# Altium PCB PCB1.PcbDoc (part 6 of 14)
Units mm, origin at the board's own origin, x right, y up, seen from the top; angles counter-clockwise.
Board outline 77.2 x 62.23 mm, 2 copper layers (Top Layer, Bottom Layer); 102 components, 131 nets, 23089 pads, 324 vias.
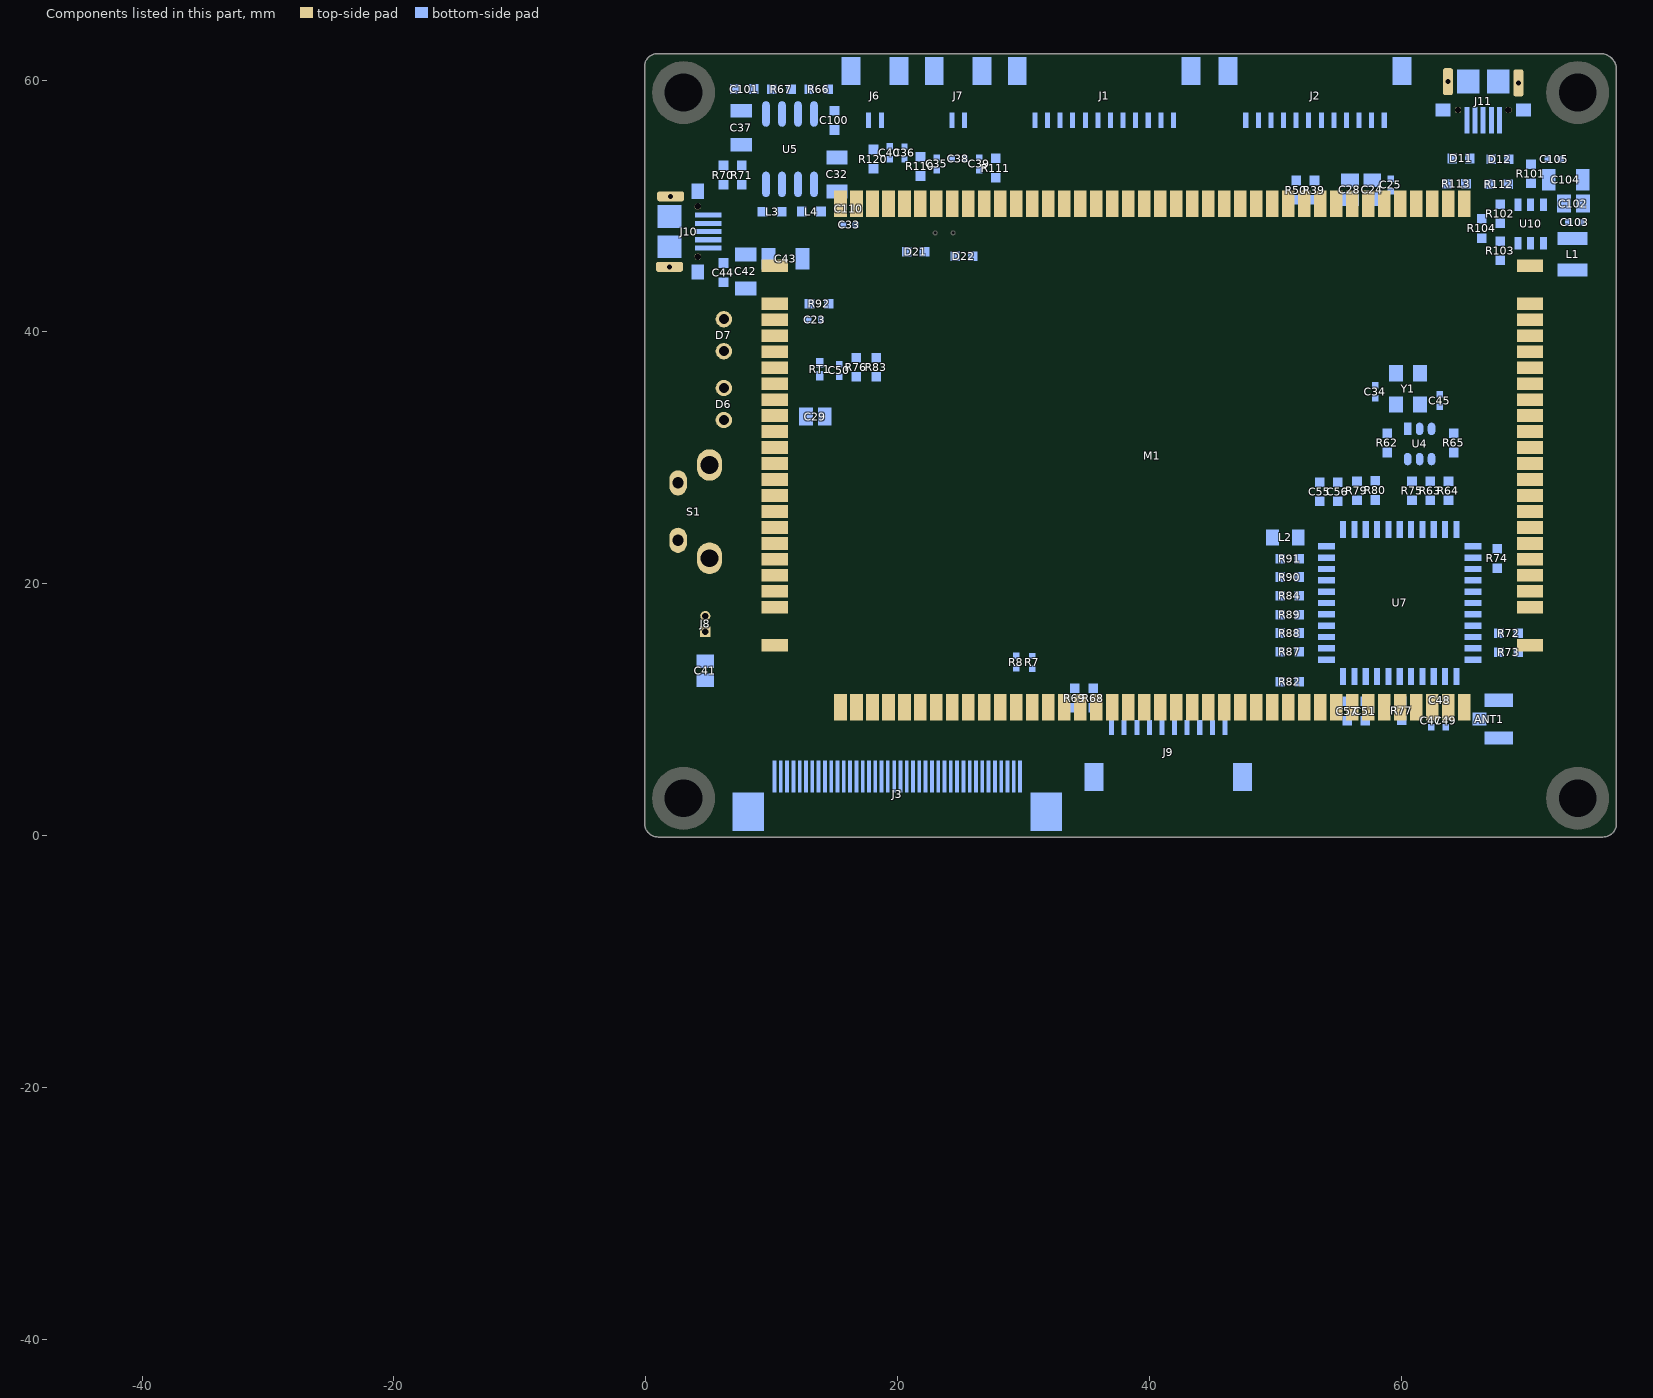
[diagram p6: the components of this part, seen from the top]

## Free pads (board coordinates) (continued)
  round 0 on Mech2: 1(-45.293,-40.469) 1(-45.293,-40.469) 1(-45.293,-40.469) 1(-45.293,-40.467) 1(-45.293,-40.467) 1(-45.293,-40.467) 1(-45.293,-40.481) 1(-45.293,-40.481) 1(-45.293,-40.481) 1(-45.293,-40.511) 1(-45.293,-40.511) 1(-45.293,-40.511) 1(-45.293,-40.514) 1(-45.293,-40.514) 1(-45.293,-40.514) 1(-45.292,-40.479) 1(-45.292,-40.479) 1(-45.292,-40.479) 1(-45.292,-40.472) 1(-45.292,-40.472) 1(-45.292,-40.472) 1(-45.292,-40.473) 1(-45.292,-40.473) 1(-45.292,-40.473) 1(-45.292,-40.472) 1(-45.292,-40.472) 1(-45.292,-40.472) 1(-45.292,-40.506) 1(-45.292,-40.506) 1(-45.292,-40.506) 1(-45.292,-40.501) 1(-45.292,-40.501) 1(-45.292,-40.501) 1(-45.291,-40.493) 1(-45.291,-40.493) 1(-45.291,-40.493) 1(-45.291,-40.468) 1(-45.291,-40.468) 1(-45.291,-40.468) 1(-45.291,-40.498) 1(-45.291,-40.498) 1(-45.291,-40.498) 1(-45.291,-40.485) 1(-45.291,-40.485) 1(-45.291,-40.485) 1(-45.291,-40.506) 1(-45.291,-40.506) 1(-45.291,-40.506) 1(-45.291,-40.488) 1(-45.291,-40.488) 1(-45.291,-40.488) 1(-45.29,-40.477) 1(-45.29,-40.477) 1(-45.29,-40.477) 1(-45.29,-40.474) 1(-45.29,-40.474) 1(-45.29,-40.474) 1(-45.29,-40.514) 1(-45.29,-40.514) 1(-45.29,-40.514) 1(-45.29,-40.49) 1(-45.29,-40.49) 1(-45.29,-40.49) 1(-45.29,-40.51) 1(-45.29,-40.51) 1(-45.29,-40.51) 1(-45.29,-40.496) 1(-45.29,-40.496) 1(-45.29,-40.496) 1(-45.29,-40.482) 1(-45.29,-40.482) 1(-45.29,-40.482) 1(-45.29,-40.477) 1(-45.29,-40.477) 1(-45.29,-40.477) 1(-45.29,-40.473) 1(-45.29,-40.473) 1(-45.29,-40.473) 1(-45.289,-40.467) 1(-45.289,-40.467) 1(-45.289,-40.467) 1(-45.289,-40.505) 1(-45.289,-40.505) 1(-45.289,-40.505) 1(-45.289,-40.503) 1(-45.289,-40.503) 1(-45.289,-40.503) 1(-45.289,-40.475) 1(-45.289,-40.475) 1(-45.289,-40.475) 1(-45.289,-40.47) 1(-45.289,-40.47) 1(-45.289,-40.47) 1(-45.288,-40.482) 1(-45.288,-40.482) 1(-45.288,-40.482) 1(-45.288,-40.48) 1(-45.288,-40.48) 1(-45.288,-40.48) 1(-45.288,-40.512) 1(-45.288,-40.512) 1(-45.288,-40.512) 1(-45.288,-40.515) 1(-45.288,-40.515) 1(-45.288,-40.515) 1(-45.288,-40.519) 1(-45.288,-40.519) 1(-45.288,-40.519) 1(-45.288,-40.466) 1(-45.288,-40.466) 1(-45.288,-40.466) 1(-45.288,-40.5) 1(-45.288,-40.5) 1(-45.288,-40.5) 1(-45.288,-40.495) 1(-45.288,-40.495) 1(-45.288,-40.495) 1(-45.288,-40.498) 1(-45.288,-40.498) 1(-45.288,-40.498) 1(-45.288,-40.497) 1(-45.288,-40.497) 1(-45.288,-40.497) 1(-45.288,-40.473) 1(-45.288,-40.473) 1(-45.288,-40.473) 1(-45.287,-40.477) 1(-45.287,-40.477) 1(-45.287,-40.477) 1(-45.287,-40.472) 1(-45.287,-40.472) 1(-45.287,-40.472) 1(-45.287,-40.488) 1(-45.287,-40.488) 1(-45.287,-40.488) 1(-45.287,-40.485) 1(-45.287,-40.485) 1(-45.287,-40.485) 1(-45.287,-40.514) 1(-45.287,-40.514) 1(-45.287,-40.514) 1(-45.287,-40.514) 1(-45.287,-40.514) 1(-45.287,-40.514) 1(-45.287,-40.502) 1(-45.287,-40.502) 1(-45.287,-40.502) 1(-45.287,-40.502) 1(-45.287,-40.502) 1(-45.287,-40.502) 1(-45.287,-40.486) 1(-45.287,-40.486) 1(-45.287,-40.486) 1(-45.287,-40.485) 1(-45.287,-40.485) 1(-45.287,-40.485) 1(-45.287,-40.485) 1(-45.287,-40.485) 1(-45.287,-40.485) 1(-45.287,-40.468) 1(-45.287,-40.468) 1(-45.287,-40.468) 1(-45.287,-40.463) 1(-45.287,-40.463) 1(-45.287,-40.463) 1(-45.287,-40.517) 1(-45.287,-40.517) 1(-45.287,-40.517) 1(-45.287,-40.514) 1(-45.287,-40.514) 1(-45.287,-40.514) 1(-45.287,-40.514) 1(-45.287,-40.514) 1(-45.287,-40.514) 1(-45.287,-40.502) 1(-45.287,-40.502) 1(-45.287,-40.502) 1(-45.287,-40.502) 1(-45.287,-40.502) 1(-45.287,-40.502) 1(-45.287,-40.475) 1(-45.287,-40.475) 1(-45.287,-40.475) 1(-45.287,-40.475) 1(-45.287,-40.475) 1(-45.287,-40.475) 1(-45.287,-40.481) 1(-45.287,-40.481) 1(-45.287,-40.481) 1(-45.287,-40.512) 1(-45.287,-40.512) 1(-45.287,-40.512) 1(-45.287,-40.512) 1(-45.287,-40.512) 1(-45.287,-40.512) 1(-45.287,-40.503) 1(-45.287,-40.503) 1(-45.287,-40.503) 1(-45.287,-40.503) 1(-45.287,-40.503) 1(-45.287,-40.503) 1(-45.287,-40.464) 1(-45.287,-40.464) 1(-45.287,-40.464) 1(-45.287,-40.463) 1(-45.287,-40.463) 1(-45.287,-40.463) 1(-45.287,-40.463) 1(-45.287,-40.463) 1(-45.287,-40.463) 1(-45.286,-40.515) 1(-45.286,-40.515) 1(-45.286,-40.515) 1(-45.286,-40.515) 1(-45.286,-40.515) 1(-45.286,-40.515) 1(-45.286,-40.501) 1(-45.286,-40.501) 1(-45.286,-40.501) 1(-45.286,-40.501) 1(-45.286,-40.501) 1(-45.286,-40.501) 1(-45.286,-40.498) 1(-45.286,-40.498) 1(-45.286,-40.498) 1(-45.286,-40.498) 1(-45.286,-40.498) 1(-45.286,-40.498) 1(-45.286,-40.489) 1(-45.286,-40.489) 1(-45.286,-40.489) 1(-45.286,-40.489) 1(-45.286,-40.489) 1(-45.286,-40.489) 1(-45.286,-40.514) 1(-45.286,-40.514) 1(-45.286,-40.514) 1(-45.286,-40.512) 1(-45.286,-40.512) 1(-45.286,-40.512) 1(-45.286,-40.512) 1(-45.286,-40.512) 1(-45.286,-40.512) 1(-45.286,-40.508) 1(-45.286,-40.508) 1(-45.286,-40.508) 1(-45.286,-40.508) 1(-45.286,-40.508) 1(-45.286,-40.508) 1(-45.286,-40.463) 1(-45.286,-40.463) 1(-45.286,-40.463) 1(-45.286,-40.463) 1(-45.286,-40.463) 1(-45.286,-40.463) 1(-45.286,-40.516) 1(-45.286,-40.516) 1(-45.286,-40.516) 1(-45.286,-40.516) 1(-45.286,-40.516) 1(-45.286,-40.516) 1(-45.286,-40.497) 1(-45.286,-40.497) 1(-45.286,-40.497) 1(-45.286,-40.497) 1(-45.286,-40.497) 1(-45.286,-40.497) 1(-45.286,-40.495) 1(-45.286,-40.495) 1(-45.286,-40.495) 1(-45.286,-40.494) 1(-45.286,-40.494) 1(-45.286,-40.494) 1(-45.286,-40.493) 1(-45.286,-40.493) 1(-45.286,-40.493) 1(-45.286,-40.493) 1(-45.286,-40.493) 1(-45.286,-40.493) 1(-45.286,-40.503) 1(-45.286,-40.503) 1(-45.286,-40.503) 1(-45.286,-40.502) 1(-45.286,-40.502) 1(-45.286,-40.502) 1(-45.286,-40.502) 1(-45.286,-40.502) 1(-45.286,-40.502) 1(-45.286,-40.5) 1(-45.286,-40.5) 1(-45.286,-40.5) 1(-45.286,-40.5) 1(-45.286,-40.5) 1(-45.286,-40.5) 1(-45.286,-40.495) 1(-45.286,-40.495) 1(-45.286,-40.495) 1(-45.286,-40.495) 1(-45.286,-40.495) 1(-45.286,-40.495) 1(-45.286,-40.472) 1(-45.286,-40.472) 1(-45.286,-40.472) 1(-45.286,-40.472) 1(-45.286,-40.472) 1(-45.286,-40.472) 1(-45.286,-40.474) 1(-45.286,-40.474) 1(-45.286,-40.474) 1(-45.286,-40.474) 1(-45.286,-40.474) 1(-45.286,-40.474) 1(-45.286,-40.472) 1(-45.286,-40.472) 1(-45.286,-40.472) 1(-45.286,-40.472) 1(-45.286,-40.472) 1(-45.286,-40.472) 1(-45.286,-40.513) 1(-45.286,-40.513) 1(-45.286,-40.513) 1(-45.286,-40.513) 1(-45.286,-40.513) 1(-45.286,-40.513) 1(-45.286,-40.513) 1(-45.286,-40.513) 1(-45.286,-40.513) 1(-45.286,-40.513) 1(-45.286,-40.513) 1(-45.286,-40.513) 1(-45.286,-40.499) 1(-45.286,-40.499) 1(-45.286,-40.499) 1(-45.286,-40.499) 1(-45.286,-40.499) 1(-45.286,-40.499) 1(-45.286,-40.499) 1(-45.286,-40.499) 1(-45.286,-40.499) 1(-45.286,-40.499) 1(-45.286,-40.499) 1(-45.286,-40.499) 1(-45.286,-40.509) 1(-45.286,-40.509) 1(-45.286,-40.509) 1(-45.286,-40.506) 1(-45.286,-40.506) 1(-45.286,-40.506) 1(-45.286,-40.506) 1(-45.286,-40.506) 1(-45.286,-40.506) 1(-45.286,-40.505) 1(-45.286,-40.505) 1(-45.286,-40.505) 1(-45.286,-40.504) 1(-45.286,-40.504) 1(-45.286,-40.504) 1(-45.286,-40.506) 1(-45.286,-40.506) 1(-45.286,-40.506) 1(-45.286,-40.506) 1(-45.286,-40.506) 1(-45.286,-40.506) 1(-45.286,-40.504) 1(-45.286,-40.504) 1(-45.286,-40.504) 1(-45.286,-40.504) 1(-45.286,-40.504) 1(-45.286,-40.504) 1(-45.286,-40.5) 1(-45.286,-40.5) 1(-45.286,-40.5) 1(-45.286,-40.5) 1(-45.286,-40.5) 1(-45.286,-40.5) 1(-45.286,-40.5) 1(-45.286,-40.5) 1(-45.286,-40.5) 1(-45.286,-40.5) 1(-45.286,-40.5) 1(-45.286,-40.5) 1(-45.286,-40.499) 1(-45.286,-40.499) 1(-45.286,-40.499) 1(-45.286,-40.499) 1(-45.286,-40.499) 1(-45.286,-40.499) 1(-45.286,-40.499) 1(-45.286,-40.499) 1(-45.286,-40.499) 1(-45.286,-40.499) 1(-45.286,-40.499) 1(-45.286,-40.499) 1(-45.286,-40.502) 1(-45.286,-40.502) 1(-45.286,-40.502) 1(-45.286,-40.502) 1(-45.286,-40.502) 1(-45.286,-40.502) 1(-45.286,-40.475) 1(-45.286,-40.475) 1(-45.286,-40.475) 1(-45.285,-40.492) 1(-45.285,-40.492) 1(-45.285,-40.492) 1(-45.285,-40.496) 1(-45.285,-40.496) 1(-45.285,-40.496) 1(-45.285,-40.482) 1(-45.285,-40.482) 1(-45.285,-40.482) 1(-45.285,-40.484) 1(-45.285,-40.484) 1(-45.285,-40.484) 1(-45.285,-40.507) 1(-45.285,-40.507) 1(-45.285,-40.507) 1(-45.285,-40.507) 1(-45.285,-40.507) 1(-45.285,-40.507) 1(-45.285,-40.512) 1(-45.285,-40.512) 1(-45.285,-40.512) 1(-45.285,-40.501) 1(-45.285,-40.501) 1(-45.285,-40.501) 1(-45.285,-40.505) 1(-45.285,-40.505) 1(-45.285,-40.505) 1(-45.285,-40.472) 1(-45.285,-40.472) 1(-45.285,-40.472) 1(-45.285,-40.495) 1(-45.285,-40.495) 1(-45.285,-40.495) 1(-45.285,-40.495) 1(-45.285,-40.495) 1(-45.285,-40.495) 1(-45.285,-40.494) 1(-45.285,-40.494) 1(-45.285,-40.494) 1(-45.285,-40.494) 1(-45.285,-40.494) 1(-45.285,-40.494) 1(-45.285,-40.494) 1(-45.285,-40.494) 1(-45.285,-40.494) 1(-45.285,-40.506) 1(-45.285,-40.506) 1(-45.285,-40.506) 1(-45.284,-40.504) 1(-45.284,-40.504) 1(-45.284,-40.504) 1(-45.284,-40.504) 1(-45.284,-40.504) 1(-45.284,-40.504) 1(-45.284,-40.502) 1(-45.284,-40.502) 1(-45.284,-40.502) 1(-45.284,-40.502) 1(-45.284,-40.502) 1(-45.284,-40.502) 1(-45.284,-40.479) 1(-45.284,-40.479) 1(-45.284,-40.479) 1(-45.284,-40.507) 1(-45.284,-40.507) 1(-45.284,-40.507) 1(-45.284,-40.507) 1(-45.284,-40.507) 1(-45.284,-40.507) 1(-45.284,-40.474) 1(-45.284,-40.474) 1(-45.284,-40.474) 1(-45.284,-40.474) 1(-45.284,-40.474) 1(-45.284,-40.474) 1(-45.284,-40.474) 1(-45.284,-40.474) 1(-45.284,-40.474) 1(-45.284,-40.5) 1(-45.284,-40.5) 1(-45.284,-40.5) 1(-45.284,-40.507) 1(-45.284,-40.507) 1(-45.284,-40.507) 1(-45.284,-40.507) 1(-45.284,-40.507) 1(-45.284,-40.507) 1(-45.284,-40.505) 1(-45.284,-40.505) 1(-45.284,-40.505) 1(-45.284,-40.504) 1(-45.284,-40.504) 1(-45.284,-40.504) 1(-45.284,-40.503) 1(-45.284,-40.503) 1(-45.284,-40.503) 1(-45.284,-40.514) 1(-45.284,-40.514) 1(-45.284,-40.514) 1(-45.284,-40.499) 1(-45.284,-40.499) 1(-45.284,-40.499) 1(-45.284,-40.497) 1(-45.284,-40.497) 1(-45.284,-40.497) 1(-45.284,-40.497) 1(-45.284,-40.497) 1(-45.284,-40.497) 1(-45.284,-40.47) 1(-45.284,-40.47) 1(-45.284,-40.47) 1(-45.284,-40.517) 1(-45.284,-40.517) 1(-45.284,-40.517) 1(-45.284,-40.475) 1(-45.284,-40.475) 1(-45.284,-40.475) 1(-45.284,-40.475) 1(-45.284,-40.475) 1(-45.284,-40.475) 1(-45.283,-40.51) 1(-45.283,-40.51) 1(-45.283,-40.51) 1(-45.283,-40.485) 1(-45.283,-40.485) 1(-45.283,-40.485) 1(-45.283,-40.485) 1(-45.283,-40.485) 1(-45.283,-40.485) 1(-45.283,-40.495) 1(-45.283,-40.495) 1(-45.283,-40.495) 1(-45.283,-40.495) 1(-45.283,-40.495) 1(-45.283,-40.495) 1(-45.283,-40.494) 1(-45.283,-40.494) 1(-45.283,-40.494) 1(-45.283,-40.493) 1(-45.283,-40.493) 1(-45.283,-40.493) 1(-45.283,-40.493) 1(-45.283,-40.493) 1(-45.283,-40.493) 1(-45.283,-40.506) 1(-45.283,-40.506) 1(-45.283,-40.506) 1(-45.283,-40.506) 1(-45.283,-40.506) 1(-45.283,-40.506) 1(-45.283,-40.479) 1(-45.283,-40.479) 1(-45.283,-40.479) 1(-45.283,-40.469) 1(-45.283,-40.469) 1(-45.283,-40.469) 1(-45.283,-40.497) 1(-45.283,-40.497) 1(-45.283,-40.497) 1(-45.283,-40.497) 1(-45.283,-40.497) 1(-45.283,-40.497) 1(-45.283,-40.492) 1(-45.283,-40.492) 1(-45.283,-40.492) 1(-45.283,-40.492) 1(-45.283,-40.492) 1(-45.283,-40.492) 1(-45.283,-40.509) 1(-45.283,-40.509) 1(-45.283,-40.509) 1(-45.283,-40.507) 1(-45.283,-40.507) 1(-45.283,-40.507) 1(-45.283,-40.502) 1(-45.283,-40.502) 1(-45.283,-40.502) 1(-45.283,-40.505) 1(-45.283,-40.505) 1(-45.283,-40.505) 1(-45.283,-40.504) 1(-45.283,-40.504) 1(-45.283,-40.504) 1(-45.283,-40.504) 1(-45.283,-40.504) 1(-45.283,-40.504) 1(-45.283,-40.504) 1(-45.283,-40.504) 1(-45.283,-40.504) 1(-45.283,-40.498) 1(-45.283,-40.498) 1(-45.283,-40.498) 1(-45.283,-40.497) 1(-45.283,-40.497) 1(-45.283,-40.497) 1(-45.283,-40.497) 1(-45.283,-40.497) 1(-45.283,-40.497) 1(-45.283,-40.501) 1(-45.283,-40.501) 1(-45.283,-40.501) 1(-45.283,-40.5) 1(-45.283,-40.5) 1(-45.283,-40.5) 1(-45.283,-40.484) 1(-45.283,-40.484) 1(-45.283,-40.484) 1(-45.283,-40.484) 1(-45.283,-40.484) 1(-45.283,-40.484) 1(-45.283,-40.482) 1(-45.283,-40.482) 1(-45.283,-40.482) 1(-45.283,-40.482) 1(-45.283,-40.482) 1(-45.283,-40.482) 1(-45.283,-40.505) 1(-45.283,-40.505) 1(-45.283,-40.505) 1(-45.283,-40.505) 1(-45.283,-40.505) 1(-45.283,-40.505) 1(-45.283,-40.492) 1(-45.283,-40.492) 1(-45.283,-40.492) 1(-45.283,-40.492) 1(-45.283,-40.492) 1(-45.283,-40.492) 1(-45.283,-40.507) 1(-45.283,-40.507) 1(-45.283,-40.507) 1(-45.283,-40.507) 1(-45.283,-40.507) 1(-45.283,-40.507) 1(-45.283,-40.515) 1(-45.283,-40.515) 1(-45.283,-40.515) 1(-45.283,-40.506) 1(-45.283,-40.506) 1(-45.283,-40.506) 1(-45.283,-40.506) 1(-45.283,-40.506) 1(-45.283,-40.506) 1(-45.282,-40.482) 1(-45.282,-40.482) 1(-45.282,-40.482) 1(-45.282,-40.482) 1(-45.282,-40.482) 1(-45.282,-40.482) 1(-45.282,-40.519) 1(-45.282,-40.519) 1(-45.282,-40.519) 1(-45.282,-40.508) 1(-45.282,-40.508) 1(-45.282,-40.508) 1(-45.282,-40.508) 1(-45.282,-40.508) 1(-45.282,-40.508) 1(-45.282,-40.499) 1(-45.282,-40.499) 1(-45.282,-40.499) 1(-45.282,-40.499) 1(-45.282,-40.499) 1(-45.282,-40.499) 1(-45.282,-40.497) 1(-45.282,-40.497) 1(-45.282,-40.497) 1(-45.282,-40.497) 1(-45.282,-40.497) 1(-45.282,-40.497) 1(-45.282,-40.49) 1(-45.282,-40.49) 1(-45.282,-40.49) 1(-45.282,-40.49) 1(-45.282,-40.49) 1(-45.282,-40.49) 1(-45.282,-40.486) 1(-45.282,-40.486) 1(-45.282,-40.486) 1(-45.282,-40.485) 1(-45.282,-40.485) 1(-45.282,-40.485) 1(-45.282,-40.506) 1(-45.282,-40.506) 1(-45.282,-40.506) 1(-45.282,-40.506) 1(-45.282,-40.506) 1(-45.282,-40.506) 1(-45.282,-40.51) 1(-45.282,-40.51) 1(-45.282,-40.51) 1(-45.282,-40.51) 1(-45.282,-40.51) 1(-45.282,-40.51) 1(-45.282,-40.495) 1(-45.282,-40.495) 1(-45.282,-40.495) 1(-45.282,-40.495) 1(-45.282,-40.495) 1(-45.282,-40.495) 1(-45.282,-40.491) 1(-45.282,-40.491) 1(-45.282,-40.491) 1(-45.282,-40.488) 1(-45.282,-40.488) 1(-45.282,-40.488) 1(-45.282,-40.505) 1(-45.282,-40.505) 1(-45.282,-40.505) 1(-45.282,-40.505) 1(-45.282,-40.505) 1(-45.282,-40.505) 1(-45.282,-40.501) 1(-45.282,-40.501) 1(-45.282,-40.501) 1(-45.282,-40.501) 1(-45.282,-40.501) 1(-45.282,-40.501) 1(-45.282,-40.501) 1(-45.282,-40.501) 1(-45.282,-40.501) 1(-45.282,-40.501) 1(-45.282,-40.501) 1(-45.282,-40.501) 1(-45.282,-40.502) 1(-45.282,-40.502) 1(-45.282,-40.502) 1(-45.282,-40.502) 1(-45.282,-40.502) 1(-45.282,-40.502) 1(-45.282,-40.482) 1(-45.282,-40.482) 1(-45.282,-40.482) 1(-45.282,-40.504) 1(-45.282,-40.504) 1(-45.282,-40.504) 1(-45.282,-40.504) 1(-45.282,-40.504) 1(-45.282,-40.504) 1(-45.282,-40.499) 1(-45.282,-40.499) 1(-45.282,-40.499) 1(-45.282,-40.499) 1(-45.282,-40.499) 1(-45.282,-40.499) 1(-45.282,-40.484) 1(-45.282,-40.484) 1(-45.282,-40.484) 1(-45.282,-40.484) 1(-45.282,-40.484) 1(-45.282,-40.484) 1(-45.282,-40.504) 1(-45.282,-40.504) 1(-45.282,-40.504) 1(-45.282,-40.497) 1(-45.282,-40.497) 1(-45.282,-40.497) 1(-45.282,-40.515) 1(-45.282,-40.515) 1(-45.282,-40.515) 1(-45.282,-40.514) 1(-45.282,-40.514) 1(-45.282,-40.514) 1(-45.282,-40.514) 1(-45.282,-40.514) 1(-45.282,-40.514) 1(-45.282,-40.506) 1(-45.282,-40.506) 1(-45.282,-40.506) 1(-45.282,-40.506) 1(-45.282,-40.506) 1(-45.282,-40.506) 1(-45.282,-40.508) 1(-45.282,-40.508) 1(-45.282,-40.508) 1(-45.282,-40.508) 1(-45.282,-40.508) 1(-45.282,-40.508) 1(-45.282,-40.481) 1(-45.282,-40.481) 1(-45.282,-40.481) 1(-45.282,-40.514) 1(-45.282,-40.514) 1(-45.282,-40.514) 1(-45.282,-40.514) 1(-45.282,-40.514) 1(-45.282,-40.514) 1(-45.281,-40.484) 1(-45.281,-40.484) 1(-45.281,-40.484) 1(-45.281,-40.484) 1(-45.281,-40.484) 1(-45.281,-40.484) 1(-45.281,-40.493) 1(-45.281,-40.493) 1(-45.281,-40.493) 1(-45.281,-40.479) 1(-45.281,-40.479) 1(-45.281,-40.479) 1(-45.281,-40.51) 1(-45.281,-40.51) 1(-45.281,-40.51) 1(-45.281,-40.51) 1(-45.281,-40.51) 1(-45.281,-40.51) 1(-45.281,-40.51) 1(-45.281,-40.51) 1(-45.281,-40.51) 1(-45.281,-40.499) 1(-45.281,-40.499) 1(-45.281,-40.499) 1(-45.281,-40.506) 1(-45.281,-40.506) 1(-45.281,-40.506) 1(-45.281,-40.506) 1(-45.281,-40.506) 1(-45.281,-40.506) 1(-45.281,-40.504) 1(-45.281,-40.504) 1(-45.281,-40.504) 1(-45.281,-40.497) 1(-45.281,-40.497) 1(-45.281,-40.497) 1(-45.281,-40.496) 1(-45.281,-40.496) 1(-45.281,-40.496) 1(-45.281,-40.496) 1(-45.281,-40.496) 1(-45.281,-40.496) 1(-45.281,-40.49) 1(-45.281,-40.49) 1(-45.281,-40.49) 1(-45.281,-40.491) 1(-45.281,-40.491) 1(-45.281,-40.491) 1(-45.281,-40.491) 1(-45.281,-40.491) 1(-45.281,-40.491) 1(-45.281,-40.49) 1(-45.281,-40.49) 1(-45.281,-40.49) 1(-45.281,-40.509) 1(-45.281,-40.509) 1(-45.281,-40.509) 1(-45.281,-40.516) 1(-45.281,-40.516) 1(-45.281,-40.516) 1(-45.281,-40.516) 1(-45.281,-40.516) 1(-45.281,-40.516) 1(-45.281,-40.512) 1(-45.281,-40.512) 1(-45.281,-40.512) 1(-45.281,-40.509) 1(-45.281,-40.509) 1(-45.281,-40.509) 1(-45.281,-40.483) 1(-45.281,-40.483) 1(-45.281,-40.483) 1(-45.281,-40.502) 1(-45.281,-40.502) 1(-45.281,-40.502) 1(-45.281,-40.502) 1(-45.281,-40.502) 1(-45.281,-40.502) 1(-45.281,-40.482) 1(-45.281,-40.482) 1(-45.281,-40.482) 1(-45.281,-40.501) 1(-45.281,-40.501) 1(-45.281,-40.501) 1(-45.281,-40.514) 1(-45.281,-40.514) 1(-45.281,-40.514) 1(-45.281,-40.514) 1(-45.281,-40.514) 1(-45.281,-40.514) 1(-45.281,-40.514) 1(-45.281,-40.514) 1(-45.281,-40.514) 1(-45.281,-40.503) 1(-45.281,-40.503) 1(-45.281,-40.503) 1(-45.281,-40.516) 1(-45.281,-40.516) 1(-45.281,-40.516) 1(-45.281,-40.516) 1(-45.281,-40.516) 1(-45.281,-40.516) 1(-45.281,-40.515) 1(-45.281,-40.515) 1(-45.281,-40.515) 1(-45.281,-40.495) 1(-45.281,-40.495) 1(-45.281,-40.495) 1(-45.281,-40.495) 1(-45.281,-40.495) 1(-45.281,-40.495) 1(-45.281,-40.494) 1(-45.281,-40.494) 1(-45.281,-40.494) 1(-45.28,-40.491) 1(-45.28,-40.491) 1(-45.28,-40.491) 1(-45.28,-40.491) 1(-45.28,-40.491) 1(-45.28,-40.491) 1(-45.28,-40.509) 1(-45.28,-40.509) 1(-45.28,-40.509) 1(-45.28,-40.509) 1(-45.28,-40.509) 1(-45.28,-40.509) 1(-45.28,-40.509) 1(-45.28,-40.509) 1(-45.28,-40.509) 1(-45.28,-40.508) 1(-45.28,-40.508) 1(-45.28,-40.508) 1(-45.28,-40.499) 1(-45.28,-40.499) 1(-45.28,-40.499) 1(-45.28,-40.499) 1(-45.28,-40.499) 1(-45.28,-40.499) 1(-45.28,-40.5) 1(-45.28,-40.5) 1(-45.28,-40.5) 1(-45.28,-40.5) 1(-45.28,-40.5) 1(-45.28,-40.5) 1(-45.28,-40.506) 1(-45.28,-40.506) 1(-45.28,-40.506) 1(-45.28,-40.506) 1(-45.28,-40.506) 1(-45.28,-40.506) 1(-45.28,-40.506) 1(-45.28,-40.506) 1(-45.28,-40.506) 1(-45.28,-40.504) 1(-45.28,-40.504) 1(-45.28,-40.504) 1(-45.28,-40.499) 1(-45.28,-40.499) 1(-45.28,-40.499) 1(-45.28,-40.499) 1(-45.28,-40.499) 1(-45.28,-40.499) 1(-45.28,-40.499) 1(-45.28,-40.499) 1(-45.28,-40.499) 1(-45.28,-40.495) 1(-45.28,-40.495) 1(-45.28,-40.495) 1(-45.28,-40.495) 1(-45.28,-40.495) 1(-45.28,-40.495) 1(-45.28,-40.469) 1(-45.28,-40.469) 1(-45.28,-40.469) 1(-45.28,-40.462) 1(-45.28,-40.462) 1(-45.28,-40.462) 1(-45.28,-40.483) 1(-45.28,-40.483) 1(-45.28,-40.483) 1(-45.28,-40.483) 1(-45.28,-40.483) 1(-45.28,-40.483) 1(-45.28,-40.488) 1(-45.28,-40.488) 1(-45.28,-40.488) 1(-45.28,-40.48) 1(-45.28,-40.48) 1(-45.28,-40.48) 1(-45.28,-40.514) 1(-45.28,-40.514) 1(-45.28,-40.514) 1(-45.28,-40.514) 1(-45.28,-40.514) 1(-45.28,-40.514) 1(-45.28,-40.482) 1(-45.28,-40.482) 1(-45.28,-40.482) 1(-45.28,-40.482) 1(-45.28,-40.482) 1(-45.28,-40.482) 1(-45.28,-40.502) 1(-45.28,-40.502) 1(-45.28,-40.502) 1(-45.28,-40.507) 1(-45.28,-40.507) 1(-45.28,-40.507) 1(-45.28,-40.507) 1(-45.28,-40.507) 1(-45.28,-40.507) 1(-45.28,-40.482) 1(-45.28,-40.482) 1(-45.28,-40.482) 1(-45.28,-40.474) 1(-45.28,-40.474) 1(-45.28,-40.474) 1(-45.28,-40.474) 1(-45.28,-40.474) 1(-45.28,-40.474) 1(-45.28,-40.474) 1(-45.28,-40.474) 1(-45.28,-40.474) 1(-45.28,-40.506) 1(-45.28,-40.506) 1(-45.28,-40.506) 1(-45.28,-40.506) 1(-45.28,-40.506) 1(-45.28,-40.506) 1(-45.28,-40.503) 1(-45.28,-40.503) 1(-45.28,-40.503) 1(-45.28,-40.503) 1(-45.28,-40.503) 1(-45.28,-40.503) 1(-45.28,-40.499) 1(-45.28,-40.499) 1(-45.28,-40.499) 1(-45.28,-40.499) 1(-45.28,-40.499) 1(-45.28,-40.499) 1(-45.28,-40.495) 1(-45.28,-40.495) 1(-45.28,-40.495) 1(-45.28,-40.495) 1(-45.28,-40.495) 1(-45.28,-40.495) 1(-45.28,-40.515) 1(-45.28,-40.515) 1(-45.28,-40.515) 1(-45.28,-40.514) 1(-45.28,-40.514) 1(-45.28,-40.514) 1(-45.28,-40.514) 1(-45.28,-40.514) 1(-45.28,-40.514) 1(-45.28,-40.475) 1(-45.28,-40.475) 1(-45.28,-40.475) 1(-45.28,-40.475) 1(-45.28,-40.475) 1(-45.28,-40.475) 1(-45.28,-40.516) 1(-45.28,-40.516) 1(-45.28,-40.516) 1(-45.28,-40.489) 1(-45.28,-40.489) 1(-45.28,-40.489) 1(-45.28,-40.489) 1(-45.28,-40.489) 1(-45.28,-40.489) 1(-45.279,-40.49) 1(-45.279,-40.49) 1(-45.279,-40.49) 1(-45.279,-40.495) 1(-45.279,-40.495) 1(-45.279,-40.495) 1(-45.279,-40.495) 1(-45.279,-40.495) 1(-45.279,-40.495) 